# Altium PCB Shuttler_AFE.PcbDoc (part 3 of 5)
Units mil, origin at the board's own origin, x right, y up, seen from the top; angles counter-clockwise.
Board outline 3291.94 x 4295.88 mil, 4 copper layers (TOP, L2, L3, BOTTOM), stack 65.354 mil thick; 521 components, 367 nets, 1536 pads, 871 vias.
Unrouted connection lines stored in the file: 1.
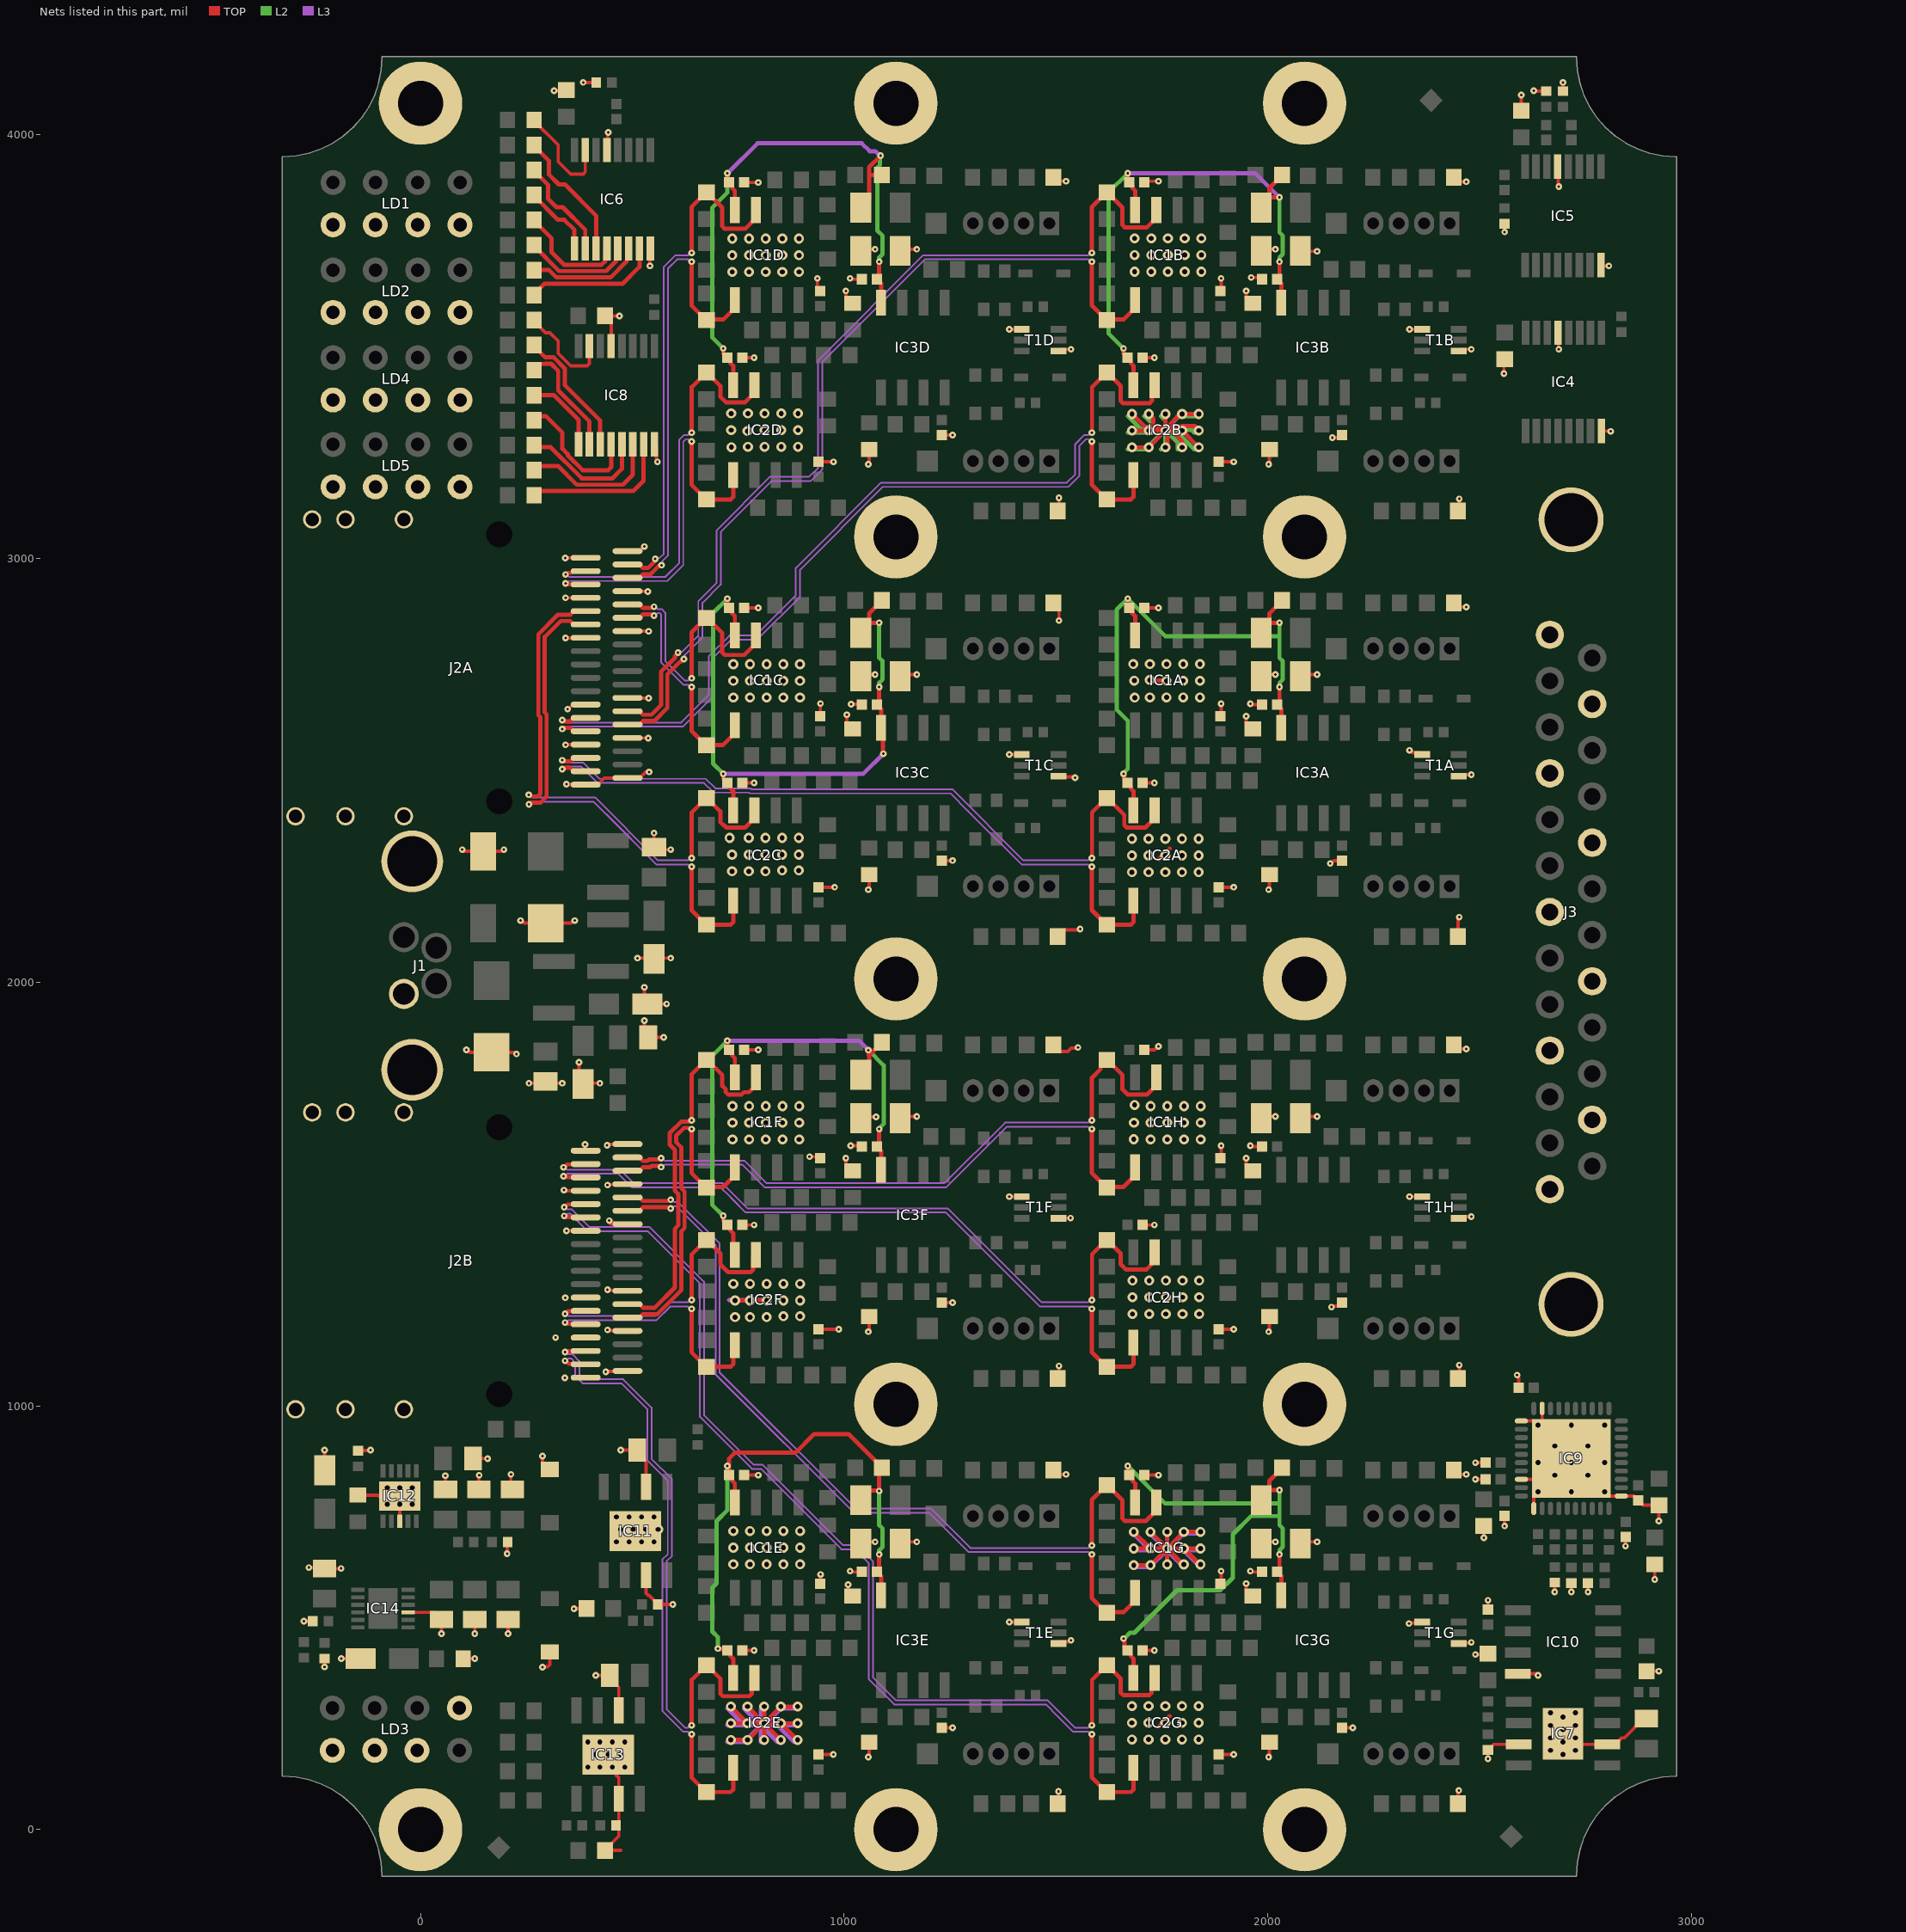
[diagram p5: the nets of this part, all layers, seen from the top]

## Via types
v1: diameter 15.75, hole 5.91, TOP to BOTTOM, tented both sides, 554 vias
v2: diameter 23.62, hole 11.81, TOP to BOTTOM, tented both sides, 300 vias
v3: diameter 50, hole 28, TOP to BOTTOM, tented both sides, 17 vias

## Nets (pads, with @x,y where several pads share a name; then routed paths per layer and width w, separated by ;. In a path a pad name is that pad's centre, name@x,y a point inside that pad or via, vN(x,y) a via of type N, cw(c..) or ccw(c..) an arc to the next point about the centre after c; other vN are vias at no path point) (continued)
AOUT1A_N: C57A.2 IC2A.3 J2A.A3 | length 1750.4
  TOP w9.84: v1(334.65,2524.15) 335.78,2523.02 339.95,2523.02 341.72,2521.26 353.49,2521.26 361.75,2529.53 J2A.A3@389.76,2529.53 ; 1646.01,2410.09 1661.14,2394.96 1661.14,2370.89 1666.95,2365.08 1711.14,2365.08 1732.87,2386.81 IC2A.3@1732.87,2405.51
  TOP w10: v1(1584.65,2293.31) 1585.14,2293.8 1585.14,2401.08 1619.09,2435.04 C57A.2@1620.08,2435.04 1621.06,2435.04 1646.01,2410.09
  L3 w3.94: v1(334.65,2524.15) 337.4,2524.15 342.86,2518.7 383.51,2518.7 421.89,2480.32 673.37,2480.32 695.94,2457.75 779.14,2457.75 781.25,2455.63 1255,2455.63 1422.78,2287.85 1576.43,2287.85 1581.89,2293.31 v1(1584.65,2293.31)
AOUT1A_P: C58A.1 IC2A.5 J2A.A2 | length 1678.3
  TOP w9.84: v1(334.65,2503.41) 335.78,2504.54 339.95,2504.54 341.72,2506.3 353.49,2506.3 361.75,2498.03 J2A.A2@389.76,2498.03
  TOP w10: v1(1584.65,2272.56) 1584.65,2170.28 1619.09,2135.83 C58A.1@1620.08,2135.83 1677.01,2135.83 1682.87,2141.68 IC2A.5@1682.87,2192.91
  L3 w3.94: v1(334.65,2503.41) 337.4,2503.41 342.86,2508.86 379.43,2508.86 417.82,2470.47 669.29,2470.47 688.98,2450.79 691.86,2447.9 775.06,2447.9 777.18,2445.79 1250.92,2445.79 1292.25,2404.46 1299.21,2397.5 1418.7,2278.01 1576.43,2278.01 1581.89,2272.56 v1(1584.65,2272.56)
AOUT1B_N: C57E.2 IC2E.3 J2B.A3 | length 1500.2
  TOP w9.84: v1(341.09,1127.3) 342.69,1127.3 344.56,1129.17 389.01,1129.17 J2B.A3@389.76,1129.92
  TOP w10: v1(639.76,246.06) 640.26,246.56 640.26,353.84 674.21,387.8 C57E.2@675.2,387.8 676.18,387.8 707.68,356.3 707.68,320.82 713.54,314.96 776.04,314.96 781.9,320.82 781.9,352.18 IC2E.3@787.99,358.27
  L3 w3.94: v1(341.09,1127.3) 343.85,1127.3 349.31,1121.85 358.95,1121.85 374.99,1105.81 374.99,1074.46 386.46,1062.99 478.42,1062.99 545.35,996.07 545.35,875.35 593.43,827.27 593.43,646.02 580.71,633.3 580.71,284.13 624.23,240.61 631.55,240.61 637,246.06 v1(639.76,246.06)
AOUT1B_P: C58E.1 IC2E.5 J2B.A2 | length 1413.9
  TOP w9.84: v1(341.09,1106.55) 342.69,1106.55 350.07,1099.18 389.01,1099.18 J2B.A2@389.76,1098.42
  TOP w10: v1(639.76,225.32) 639.76,123.03 674.21,88.58 C58E.1@675.2,88.58 732.13,88.58 737.99,94.44 IC2E.5@737.99,145.67
  L3 w3.94: v1(341.09,1106.55) 343.85,1106.55 349.31,1112.01 354.87,1112.01 365.15,1101.73 365.15,1070.38 382.38,1053.15 474.35,1053.15 535.5,991.99 535.5,871.28 583.59,823.19 583.59,650.1 570.87,637.38 570.87,280.05 620.15,230.77 631.55,230.77 637,225.32 v1(639.76,225.32)
AOUT2A_N: C34B.2 IC1B.3 J2A.B6 | length 2230.1
  TOP w9.84: J2A.B6@488.58,2639.76 516.59,2639.76 524.86,2631.5 545.42,2631.5 567.62,2653.7 567.62,2732.97 600.39,2765.75 600.39,2769.2 607.73,2776.53 v1(607.73,2778.13)
  TOP w10: v1(1584.65,3721.54) 1584.65,3829.72 1619.09,3864.17 C34B.2@1620.08,3864.17 1621.06,3864.17 1656.99,3828.25 1656.99,3787.29 1662.85,3781.43 1714.11,3781.43 1736.81,3804.13 IC1B.3@1736.81,3822.83
  L3 w3.94: v1(607.73,2778.13) 609.68,2780.09 617.39,2780.09 655.67,2818.37 655.67,2899.77 698.82,2942.91 698.82,3066.82 825.27,3193.28 917.19,3193.28 938.35,3214.43 938.35,3467.87 1186.56,3716.08 1576.43,3716.08 1581.89,3721.54 v1(1584.65,3721.54)
AOUT2A_P: C35B.1 IC1B.5 J2A.B5 | length 2123.1
  TOP w9.84: J2A.B5@488.58,2608.27 516.59,2608.27 524.86,2616.54 551.61,2616.54 582.58,2647.5 582.58,2726.77 610.97,2755.17 612.5,2755.17 620.29,2762.97 v1(621.89,2762.97)
  TOP w10: v1(1584.65,3700.79) 1584.65,3597.44 1619.09,3562.99 C35B.1@1620.08,3562.99 1621.26,3564.18 1659.45,3564.18 1686.81,3591.54 IC1B.5@1686.81,3610.24
  L3 w3.94: v1(621.89,2762.97) 623.84,2764.92 623.84,2772.62 665.51,2814.29 665.51,2895.69 708.66,2938.84 708.66,3062.75 829.35,3183.43 921.27,3183.43 948.19,3210.36 948.19,3463.8 1190.63,3706.24 1576.43,3706.24 1581.89,3700.79 v1(1584.65,3700.79)
AOUT2B_N: C34F.2 IC1F.3 J2B.B6 | length 939.1
  TOP w9.84: 600.24,1327.38 600.39,1327.54 600.39,1336.43 600.39,1418.04 608.35,1426 608.35,1500.34 600.39,1508.29 600.39,1604.33 588.21,1616.52 588.21,1643.83 615.77,1671.4 632.69,1671.4 634.46,1673.16 638.63,1673.16 v1(639.76,1674.29) ; 712.11,1755.64 720.19,1747.55 720.19,1740.97 726,1735.16 757.85,1735.16 763.34,1740.65 775.68,1740.65
  TOP w10: J2B.B6@488.58,1240.16 516.68,1240.16 524.87,1231.97 552.88,1231.97 600.24,1279.32 600.24,1327.38 600.24,1336.43 600.31,1336.51 ; v1(639.76,1674.29) 639.76,1782.48 674.21,1816.93 C34F.2@675.2,1816.93 676.18,1816.93 712.11,1781 712.11,1755.64 ; 775.68,1740.65 791.92,1756.89 IC1F.3@791.92,1775.59
AOUT2B_P: C35F.1 IC1F.5 J2B.B5 | length 825.5
  TOP w9.84: 615.35,1330.17 615.35,1411.85 623.31,1419.8 623.31,1506.54 615.35,1514.49 615.35,1610.53 603.17,1622.71 603.17,1637.64 621.97,1656.44 632.69,1656.44 634.46,1654.67 638.63,1654.67 v1(639.76,1653.54)
  TOP w10: J2B.B5@488.58,1208.66 516.68,1208.66 524.87,1216.85 559.14,1216.85 615.35,1273.06 615.35,1330.17 ; v1(639.76,1653.54) 639.76,1550.2 674.21,1515.75 C35F.1@675.2,1515.75 676.38,1516.93 714.57,1516.93 741.92,1544.29 IC1F.5@741.92,1562.99
AOUT3A_N: C57B.2 IC2B.3 J2A.A6 | length 2076.4
  TOP w9.84: v1@341.72,2615.75 353.49,2615.75 361.75,2624.02 J2A.A6@389.76,2624.02
  TOP w10: v1(1584.65,3297.24) 1585.14,3297.74 1585.14,3405.02 1619.09,3438.98 C57B.2@1620.08,3438.98 1621.06,3438.98 1652.56,3407.48 1652.56,3372.29 1658.42,3366.43 1720.63,3366.43 1726.49,3372.29 1726.49,3403.07 IC2B.3@1732.87,3409.45
  L3 w3.94: v1(334.65,2618.64) 337.4,2618.64 342.86,2613.19 615.16,2613.19 680.15,2678.18 680.15,2769.24 729.47,2818.55 790.99,2818.55 885.83,2913.39 885.83,2977.93 1087.03,3179.13 1525.59,3179.13 1545.28,3198.82 1545.28,3270.28 1566.79,3291.79 1576.43,3291.79 1581.89,3297.24 v1(1584.65,3297.24)
AOUT3A_P: C58B.1 IC2B.5 J2A.A5 | length 1988.5
  TOP w9.84: v1@341.72,2600.79 353.49,2600.79 361.75,2592.52 J2A.A5@389.76,2592.52
  TOP w10: v1(1584.65,3276.5) 1584.65,3174.21 1619.09,3139.76 C58B.1@1620.08,3139.76 1677.01,3139.76 1682.87,3145.62 IC2B.5@1682.87,3196.85
  L3 w3.94: v1(334.65,2597.89) 337.4,2597.89 342.86,2603.35 619.23,2603.35 690,2674.11 690,2765.16 733.54,2808.71 795.07,2808.71 895.67,2909.31 895.67,2973.85 1091.11,3169.29 1529.67,3169.29 1555.12,3194.74 1555.12,3266.2 1570.87,3281.95 1576.43,3281.95 1581.89,3276.5 v1(1584.65,3276.5)
AOUT3B_N: C57F.2 IC2F.3 J2B.A6 | length 721.5
  TOP w9.84: 707.93,1333.83 725.9,1315.87 779.27,1315.87 785.04,1321.63 785.04,1349.41 IC2F.3@790.21,1354.58
  TOP w10: v1(341.09,1217.64) 342.65,1217.64 348.7,1223.69 389.04,1223.69 J2B.A6@389.76,1224.41 ; v1(639.76,1250) 640.26,1250.49 640.26,1357.78 674.21,1391.73 C57F.2@675.2,1391.73 676.18,1391.73 707.93,1359.98 707.93,1333.83 ; IC2F.3@790.21,1354.58 IC2F.3@791.93,1356.3
  L3 w3.94: v1(341.09,1217.64) 343.85,1217.64 349.31,1212.19 552.74,1212.19 585.1,1244.55 631.55,1244.55 637,1250 v1(639.76,1250)
AOUT3B_P: C58F.1 IC2F.5 J2B.A5 | length 637
  TOP w10: v1(341.09,1196.89) 342.65,1196.89 345.91,1193.64 389.04,1193.64 J2B.A5@389.76,1192.91 ; v1(639.76,1229.25) 639.76,1126.97 674.21,1092.52 C58F.1@675.2,1092.52 732.13,1092.52 737.99,1098.38 737.99,1139.76 IC2F.5@741.93,1143.7 ; IC2F.5@737.99,1143.7 IC2F.5@737.99,1149.61
  L3 w3.94: v1(341.09,1196.89) 343.85,1196.89 349.31,1202.34 556.81,1202.34 589.18,1234.7 631.55,1234.7 637,1229.25 v1(639.76,1229.25)
AOUT4A_N: C34C.2 IC1C.3 J2A.B14 | length 664.6
  TOP w9.84: J2A.B14@488.58,2891.73 516.59,2891.73 524.86,2883.46 544.11,2883.46 545.88,2885.23 550.05,2885.23 v1(551.18,2886.36)
  TOP w10: v1(639.76,2717.6) 639.76,2825.79 674.21,2860.24 C34C.2@675.2,2860.24 676.18,2860.24 712.11,2824.31 712.11,2778.47 717.96,2772.61 764.34,2772.61 791.92,2800.2 IC1C.3@791.92,2818.9
  L3 w3.94: v1(551.18,2886.36) 553.94,2886.36 559.39,2880.91 569.04,2880.91 577.83,2872.12 577.83,2758.55 624.23,2712.15 631.55,2712.15 637,2717.6 v1(639.76,2717.6)
AOUT4A_P: C35C.1 IC1C.5 J2A.B13 | length 547.1
  TOP w9.84: J2A.B13@488.58,2860.24 516.59,2860.24 524.86,2868.5 544.11,2868.5 545.88,2866.74 550.05,2866.74 v1(551.18,2865.61)
  TOP w10: v1(639.76,2696.85) 639.76,2593.5 674.21,2559.06 C35C.1@675.2,2559.06 676.38,2560.24 714.57,2560.24 741.92,2587.6 IC1C.5@741.92,2606.3
  L3 w3.94: v1(551.18,2865.61) 553.94,2865.61 559.39,2871.06 564.96,2871.06 567.98,2868.04 567.98,2754.47 620.15,2702.3 631.55,2702.3 637,2696.85 v1(639.76,2696.85)
AOUT4B_N: C34G.2 IC1G.3 J2B.B14 | length 1985.7
  TOP w9.84: J2B.B14@488.58,1492.13 516.59,1492.13 524.86,1483.86 583.48,1483.86 585.25,1485.62 589.42,1485.62 v1(590.55,1486.75)
  TOP w10: v1(1584.65,670.35) 1584.65,778.54 1619.09,812.99 C34G.2@1620.08,812.99 1621.06,812.99 1656.99,777.07 1656.99,734.2 1662.85,728.35 1712.2,728.35 1736.81,752.95 IC1G.3@1736.81,771.65
  L3 w3.94: v1(590.55,1486.75) 593.31,1486.75 598.76,1481.3 608.41,1481.3 706.19,1383.52 706.19,1078.51 1026.82,757.87 1204.86,757.87 1273.76,688.98 1297.84,664.9 1576.43,664.9 1581.89,670.35 v1(1584.65,670.35)
AOUT4B_P: C35G.1 IC1G.5 J2B.B13 | length 1872.3
  TOP w9.84: J2B.B13@488.58,1460.63 516.59,1460.63 524.86,1468.9 583.48,1468.9 585.25,1467.13 589.42,1467.13 v1(590.55,1466)
  TOP w10: v1(1584.65,649.61) 1584.65,546.26 1619.09,511.81 C35G.1@1620.08,511.81 1621.26,513 1659.45,513 1686.81,540.35 IC1G.5@1686.81,559.06
  L3 w3.94: v1(590.55,1466) 593.31,1466 598.76,1471.46 604.33,1471.46 696.35,1379.44 696.35,1074.43 1022.75,748.03 1200.79,748.03 1259.84,688.98 1293.76,655.06 1576.43,655.06 1581.89,649.61 v1(1584.65,649.61)
AOUT5A_N: C57C.2 IC2C.3 J2A.A14 | length 1336.2
  TOP w9.84: v1(255.27,2442.58) 256.87,2442.58 260.58,2438.87 276.73,2438.87 282.49,2444.63 282.49,2626.05 278.22,2630.32 278.22,2821.56 324.37,2867.72 353.49,2867.72 361.75,2875.98 J2A.A14@389.76,2875.98 ; 707.68,2378.05 715.29,2370.43 716.71,2370.43 722.07,2365.08 766.26,2365.08 787.99,2386.81 IC2C.3@787.99,2405.51
  TOP w10: v1(639.76,2293.31) 640.26,2293.8 640.26,2401.08 674.21,2435.04 C57C.2@675.2,2435.04 676.18,2435.04 707.68,2403.54 707.68,2378.05
  L3 w3.94: v1(255.27,2442.58) 257.21,2442.58 263.48,2436.31 412.25,2436.31 560.71,2287.85 631.55,2287.85 637,2293.31 v1(639.76,2293.31)
AOUT5A_P: C58C.1 IC2C.5 J2A.A13 | length 1261.9
  TOP w9.84: v1(255.91,2420.2) 257.5,2420.2 261.22,2423.91 282.92,2423.91 297.45,2438.44 297.45,2632.24 293.18,2636.52 293.18,2815.36 330.57,2852.76 353.49,2852.76 361.75,2844.49 J2A.A13@389.76,2844.49
  TOP w10: v1(639.76,2272.56) 639.76,2170.28 674.21,2135.83 C58C.1@675.2,2135.83 732.13,2135.83 737.99,2141.68 IC2C.5@737.99,2192.91
  L3 w3.94: v1(255.91,2420.2) 257.85,2420.2 264.12,2426.47 408.18,2426.47 433.07,2401.57 440.03,2394.62 556.63,2278.01 631.55,2278.01 637,2272.56 v1(639.76,2272.56)
AOUT5B_N: C57G.2 IC2G.3 J2B.A14 | length 2506
  TOP w9.84: v1(339.15,1469.24) 340.74,1469.24 347.13,1475.62 389.01,1475.62 J2B.A14@389.76,1476.38
  TOP w10: v1(1584.65,246.06) 1585.14,246.56 1585.14,353.84 1619.09,387.8 C57G.2@1620.08,387.8 1621.06,387.8 1652.56,356.3 1652.56,323.61 1658.42,317.76 1720.2,317.76 1726.06,323.61 1726.06,351.46 IC2G.3@1732.87,358.27
  L3 w3.94: v1(339.15,1469.24) 341.9,1469.24 347.36,1463.79 357,1463.79 398.26,1422.53 540.21,1422.53 669.29,1293.45 669.29,978.49 786.48,861.3 807.47,861.3 997.33,671.43 1029.27,671.43 1068.19,632.51 1068.19,358.98 1122.05,305.12 1480.45,305.12 1514.9,270.67 1542.39,243.18 1544.96,240.61 1576.43,240.61 1581.89,246.06 v1(1584.65,246.06)
AOUT5B_P: C58G.1 IC2G.5 J2B.A13 | length 2422
  TOP w9.84: v1(339.15,1448.49) 340.74,1448.49 343.6,1445.63 389.01,1445.63 J2B.A13@389.76,1444.88
  TOP w10: v1(1584.65,225.32) 1584.65,123.03 1619.09,88.58 C58G.1@1620.08,88.58 1677.01,88.58 1682.87,94.44 IC2G.5@1682.87,145.67
  L3 w3.94: v1(339.15,1448.49) 341.9,1448.49 347.36,1453.94 352.93,1453.94 394.18,1412.69 536.13,1412.69 561.02,1387.8 567.98,1380.84 659.45,1289.37 659.45,974.41 782.4,851.46 803.39,851.46 993.26,661.59 1025.19,661.59 1058.35,628.43 1058.35,354.9 1117.97,295.28 1476.38,295.28 1505.06,266.59 1535.43,236.22 1540.89,230.77 1576.43,230.77 1581.89,225.32 v1(1584.65,225.32)
AOUT6A_N: C34D.2 IC1D.3 J2A.B17 | length 1226.8
  TOP w9.84: J2A.B17@488.58,2986.22 516.59,2986.22 524.86,2977.95 537.01,2977.95 552.93,2993.87 552.93,2997.96 v1(554.06,2999.09)
  TOP w10: v1(639.76,3721.54) 639.76,3829.72 674.21,3864.17 C34D.2@675.2,3864.17 676.18,3864.17 712.11,3828.25 712.11,3784.29 717.96,3778.43 766.22,3778.43 791.92,3804.13 IC1D.3@791.92,3822.83
  L3 w3.94: v1(554.06,2999.09) 556.01,3001.04 563.72,3001.04 574.06,3011.38 574.06,3688.37 601.77,3716.08 631.55,3716.08 637,3721.54 v1(639.76,3721.54)
AOUT6A_P: C35D.1 IC1D.5 J2A.B16 | length 1116.1
  TOP w9.84: J2A.B16@488.58,2954.72 516.59,2954.72 524.86,2962.99 543.2,2962.99 563.51,2983.29 567.6,2983.29 v1(568.73,2984.42)
  TOP w10: v1(639.76,3700.79) 639.76,3597.44 674.21,3562.99 C35D.1@675.2,3562.99 676.38,3564.18 714.57,3564.18 741.92,3591.54 IC1D.5@741.92,3610.24
  L3 w3.94: v1(568.73,2984.42) 570.68,2986.37 570.68,2994.08 583.9,3007.3 583.9,3684.29 605.85,3706.24 631.55,3706.24 637,3700.79 v1(639.76,3700.79)
AOUT6B_N: C34H.2 IC1H.3 J2B.B17 | length 1544.2
  TOP w9.84: J2B.B17@488.58,1586.61 516.59,1586.61 524.86,1578.35 535.87,1578.35 539.27,1581.75 560.67,1581.75 562.44,1583.52 566.61,1583.52 v1(567.74,1584.65)
  TOP w10: v1(1584.65,1674.29) 1584.65,1774.41 1605.39,1795.16 1605.39,1803.23 1619.09,1816.93 C34H.2@1620.08,1816.93 1621.06,1816.93 1656.99,1781 1656.99,1747.29 1669.2,1735.08 1715,1735.08 1736.81,1756.89 IC1H.3@1736.81,1775.59
  L3 w3.94: v1(567.74,1584.65) 570.5,1584.65 575.95,1579.19 763.82,1579.19 817.42,1525.59 1236.5,1525.59 1379.75,1668.84 1576.43,1668.84 1581.89,1674.29 v1(1584.65,1674.29)
AOUT6B_P: C35H.1 IC1H.5 J2B.B16 | length 1438.5
  TOP w9.84: J2B.B16@488.58,1555.12 516.59,1555.12 524.86,1563.39 542.06,1563.39 545.47,1566.79 560.67,1566.79 562.44,1565.03 566.61,1565.03 v1(567.74,1563.9)
  TOP w10: v1(1584.65,1653.54) 1584.65,1550.2 1619.09,1515.75 C35H.1@1620.08,1515.75 1621.26,1516.93 1659.45,1516.93 1686.81,1544.29 IC1H.5@1686.81,1562.99
  L3 w3.94: v1(567.74,1563.9) 570.5,1563.9 575.95,1569.35 759.74,1569.35 813.34,1515.75 1240.58,1515.75 1383.83,1659 1576.43,1659 1581.89,1653.54 v1(1584.65,1653.54)
AOUT7A_N: C57D.2 IC2D.3 J2A.A17 | length 1003.7
  TOP w9.84: v1(342.35,2962.43) 343.94,2962.43 347.74,2966.23 355.91,2966.23 360.16,2970.47 J2A.A17@389.76,2970.47 ; 707.68,3381.98 721.23,3368.43 765.67,3368.43 787.99,3390.75 IC2D.3@787.99,3409.45
  TOP w10: v1(639.76,3297.24) 640.26,3297.74 640.26,3405.02 674.21,3438.98 C57D.2@675.2,3438.98 676.18,3438.98 707.68,3407.48 707.68,3381.98
  L3 w3.94: v1(342.35,2962.43) 345.11,2962.43 350.56,2956.98 578.04,2956.98 610.24,2989.17 610.24,3280.12 621.91,3291.79 631.55,3291.79 637,3297.24 v1(639.76,3297.24)
AOUT7A_P: C58D.1 IC2D.5 J2A.A16 | length 928
  TOP w9.84: v1(342.35,2941.69) 343.94,2941.69 345.9,2939.73 389.01,2939.73 J2A.A16@389.76,2938.98
  TOP w10: v1(639.76,3276.5) 639.76,3174.21 674.21,3139.76 C58D.1@675.2,3139.76 732.13,3139.76 737.99,3145.62 IC2D.5@737.99,3196.85
  L3 w3.94: v1(342.35,2941.69) 345.11,2941.69 350.56,2947.14 582.12,2947.14 620.08,2985.1 620.08,3276.04 625.98,3281.95 631.55,3281.95 637,3276.5 v1(639.76,3276.5)
AOUT7B_N: C57H.2 IC2H.3 J2B.A17 | length 1779.9
  TOP w9.84: v1(337.35,1563.18) 338.94,1563.18 345.88,1570.11 389.01,1570.11 J2B.A17@389.76,1570.87
  TOP w10: v1(1584.65,1250) 1585.14,1250.49 1585.14,1357.78 1619.09,1391.73 C57H.2@1620.08,1391.73 1621.06,1391.73 1652.56,1360.24 1652.56,1334.6 1665.46,1321.69 1713.15,1321.69 1726.06,1334.6 1726.06,1355.39 IC2H.3@1732.87,1362.2
  L3 w3.94: v1(337.35,1563.18) 340.11,1563.18 345.56,1557.73 470.97,1557.73 503.11,1525.59 712.74,1525.59 771.79,1466.54 1244.23,1466.54 1466.22,1244.55 1576.43,1244.55 1581.89,1250 v1(1584.65,1250)
AOUT7B_P: C58H.1 IC2H.5 J2B.A16 | length 1703.7
  TOP w9.84: v1(337.35,1542.43) 338.94,1542.43 341.25,1540.12 389.01,1540.12 J2B.A16@389.76,1539.37
  TOP w10: v1(1584.65,1229.25) 1584.65,1126.97 1619.09,1092.52 C58H.1@1620.08,1092.52 1677.01,1092.52 1682.87,1098.38 IC2H.5@1682.87,1149.61
  L3 w3.94: v1(337.35,1542.43) 340.11,1542.43 345.56,1547.89 466.89,1547.89 499.03,1515.75 708.66,1515.75 728.35,1496.06 735.31,1489.1 767.72,1456.69 1240.16,1456.69 1309.06,1387.8 1316.01,1380.84 1462.15,1234.7 1576.43,1234.7 1581.89,1229.25 v1(1584.65,1229.25)
GND: B2.1 B3.1 B4.1 B5.1 B6.1 B7.1 B9.1 B10.1 B11.1 B14.1 B15.1 B16.1 C1A.2 C1B.2 C1C.2 C1D.2 C1E.2 C1F.2 C1G.2 C1H.2 C2A.2 C2B.2 C2C.2 C2D.2 C2E.2 C2F.2 C2G.2 C2H.2 C3A.2 C3B.2 C3C.2 C3D.2 C3E.2 C3F.2 C3G.2 C3H.2 C4A.2 C4B.2 C4C.2 C4D.2 C4E.2 C4F.2 C4G.2 C4H.2 C5A.1 C5B.1 C5C.1 C5D.1 C5E.1 C5F.1 C5G.1 C5H.1 C6A.2 C6B.2 C6C.2 C6D.2 C6E.2 C6F.2 C6G.2 C6H.2 C7A.1 C7B.1 C7C.1 C7D.1 C7E.1 C7F.1 C7G.1 C7H.1 C8A.2 C8B.2 C8C.2 C8D.2 C8E.2 C8F.2 C8G.2 C8H.2 C9A.2 C9B.2 C9C.2 C9D.2 C9E.2 C9F.2 C9G.2 C9H.2 C10A.1 C10B.1 C10C.1 C10D.1 C10E.1 C10F.1 C10G.1 C10H.1 C12.2 C13.1 C14.2 C15.2 C16.1 C17.2 C18.2 C19.1 C20.2 C21.1 C22.2 C25.1 C26.1 C28.1 C32.1 C33.2 C36.1 C37.2 C38.1 C39.2 C40.1 C41.2 C42.1 C43.1 C44.1 C45.1 C46.1 C47.1 C48.2 C49.1 C50.1 C51.2 C52.1 C53.1 C54.1 C55.1 C56.1 D3.2 D4.2 D5.2 D6.1 D7.1 IC4.8 IC4.13 IC5.8 IC5.13 IC6.8 IC6.13 IC7.3 IC7.6 IC7.9 IC8.8 IC8.13 IC9.1 IC9.8 IC9.11 IC9.21 IC9.39 IC9.41 IC10.4 IC11.3 IC11.6 IC11.9 IC12.8 IC12.11 IC13.3 IC13.6 IC13.9 IC14.9 J1.4 J1.SHIELD J2A.A1 J2A.A4 J2A.A7 J2A.A12 J2A.A15 J2A.A18 J2A.B1 J2A.B4 J2A.B7 J2A.B12 J2A.B15 J2A.B18 J2A.SHELL1 J2A.SHELL2 J2A.SHELL3 J2A.SHELL4 J2A.SHELL5 J2A.SHELL6 J2B.A1 J2B.A4 J2B.A7 J2B.A12 J2B.A15 J2B.A18 J2B.B1 J2B.B4 J2B.B7 J2B.B12 J2B.B15 J2B.B18 J2B.SHELL1 J2B.SHELL2 J2B.SHELL3 J2B.SHELL4 J2B.SHELL5 J2B.SHELL6 J3.1 J3.4 J3.7 J3.10 J3.13 J3.15 J3.18 J3.21 J3.24 J3.26 J3.27 LD1.1 LD1.3 LD1.5 LD1.7 LD2.1 LD2.3 LD2.5 LD2.7 LD3.1 LD3.3 LD3.5 LD3.8 LD4.1 LD4.3 LD4.5 LD4.7 LD5.1 LD5.3 LD5.5 LD5.7 R8A.1 R8B.1 R8C.1 R8D.1 R8E.1 R8F.1 R8G.1 R8H.1 R16A.1 R16B.1 R16C.1 R16D.1 R16E.1 R16F.1 R16G.1 R16H.1 R21.1 R23.1 R25.1 R28.1 R37.1 R38.1 R39.1 R42.1 R58.1 R59.1 R61.1 R62.1 R63.1 R66.1 R67.1 R68.1 T1A.1 T1A.4 T1B.1 T1B.4 T1C.1 T1C.4 T1D.1 T1D.4 T1E.1 T1E.4 T1F.1 T1F.4 T1G.1 T1G.4 T1H.1 T1H.4 | length 14250